# Altium PCB Fri3D_2018_00.PcbDoc (part 2 of 2) (continued)
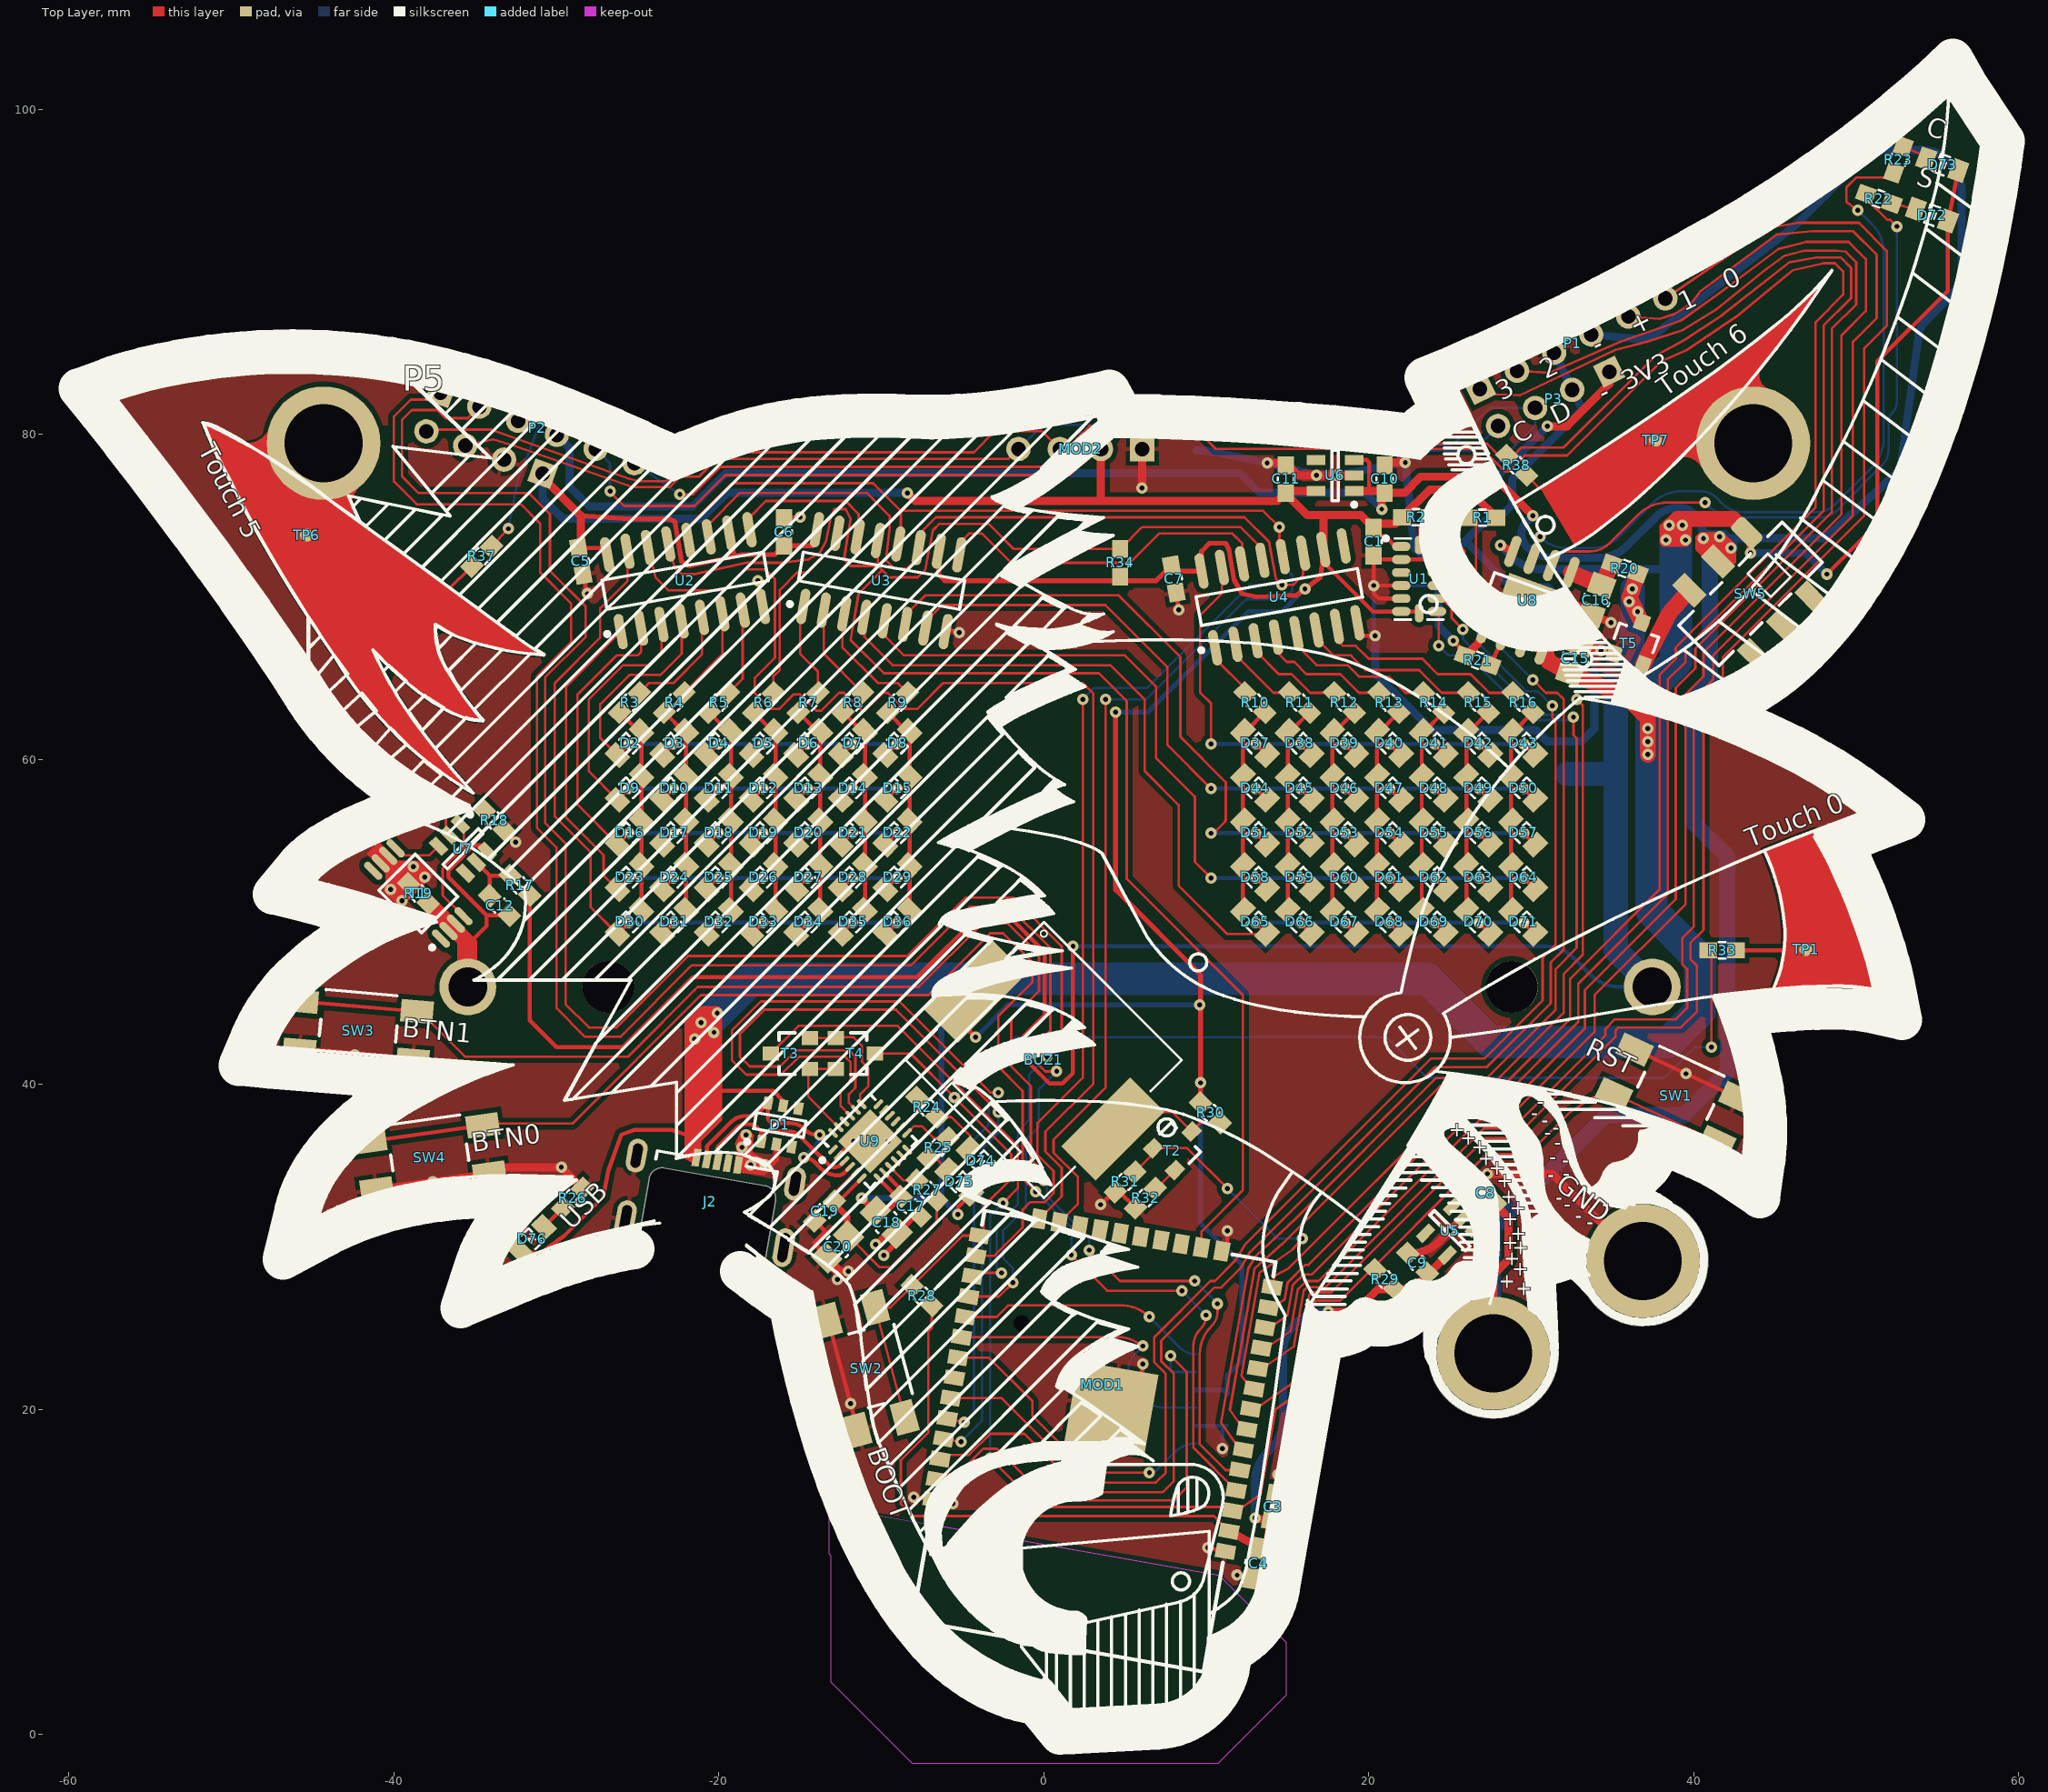
[diagram p0: Top Layer view]
## Nets (pads, with @x,y where several pads share a name; then routed paths per layer and width w, separated by ;. In a path a pad name is that pad's centre, name@x,y a point inside that pad or via, vN(x,y) a via of type N, cw(c..) or ccw(c..) an arc to the next point about the centre after c; other vN are vias at no path point) (continued)
  Top Layer w0.25: U3.11@-7.707,73.033 U3.11@-7.6,73.14
  Bottom Layer w0.15: v1(2.4,63.7) 3.1,64.4 6.354,64.4 12.704,70.75 v1(14.664,70.75)
TOUCH.0: R33.2 TP1.1 | length 4.6
  Top Layer w0.25: R33.2@42.6,48.25 46.85,48.25 TP1.1@47.1,48.5
TOUCH.5: pad.0@-44.333,79.456 R37.2 TP6.1 | length 12.2
  Top Layer w0.2: TP6.1@-45.375,73.8 -41.975,70.4 -36.7,70.4 R37.2@-35.201,71.899
TOUCH.6: pad.0@43.667,79.456 R38.2 TP7.1 | length 9.8
  Top Layer w0.15: R38.2@29.501,77.699 30.5,76.7 34.7,76.7 TP7.1@37.65,79.65
TXT: R24.2 U9.14 | length 2.2
  Top Layer w0.15: U9.14@-8.768,37.366 -7.801,38.333 R24.2@-7.801,39.201
U0.RXD: MOD1.34 U9.21 | length 55.6
  Top Layer w0.15: U9.21@-11.914,38.073 -12.5,38.659 -12.5,39.607 -11.9,40.207 -11.9,41.376 -12.224,41.7 -15.076,41.7 -16.176,40.6 -18.307,40.6 -19.2,41.493 -19.2,43.307 -17.407,45.1 -8.893,45.1 -3.293,39.5 v1(-2.8,39.5) ; MOD1.34@-5.95,19.439 v1(-4.9,19.2)
  Bottom Layer w0.15: v1(-4.9,19.2) -4.3,19.8 -4.3,36.6 -3.4,37.5 -3.4,38.9 v1(-2.8,39.5)
U0.TXD: MOD1.35 U9.20 | length 54.4
  Top Layer w0.15: U9.20@-11.561,38.427 -12,38.866 -12,39.4 -11.6,39.8 -11.6,41.7 -12,42.1 -15.242,42.1 -16.242,41.1 -18.1,41.1 -18.7,41.7 -18.7,43.1 -17.2,44.6 -9.1,44.6 v1(-2.8,38.3) ; MOD1.35@-6.17,18.188 v1(-5.1,18)
  Bottom Layer w0.15: v1(-5.1,18) -3.8,19.3 -3.8,36.014 -2.8,37.014 v1(-2.8,38.3)
U1.RXD: MOD1.13 P2.6 R38.1 | length 163.3
  Top Layer w0.15: v1(-22.4,76.318) -21.582,76.318 -19.9,78 1.3,78 2,78.7 2,79.7 2.8,80.5 10.2,80.5 11,79.7 19.05,79.7 19.325,79.425 27.275,79.425 27.999,78.701 R38.1@28.499,78.701 28.901,78.701 29.4,79.2 32,79.2 37.6,84.8 37.96,85 39.4,85.8 41.7,87.3 45.891,90.591 47.531,90.886 49.05,90.886 49.695,90.241 49.695,88.395 47.995,86.695 47.995,75.295 39.5,66.8 39.5,66 38.4,64.9 38.4,51.7 32.895,46.195 32.895,43.833 27.867,38.805 26.205,38.805 16.3,28.9 16.104,28.9 15.006,27.802 14.823,26.762 14.059,26.228 MOD1.13@13.825,26.269
  Bottom Layer w0.15: P2.6@-25.196,78.231 v1(-22.4,76.318)
U1.TXD: MOD1.14 P2.5 R37.1 | length 179
  Top Layer w0.15: R37.1@-33.999,73.101 v1(-32.95,74.2) ; v1(-30.8,81.2) -29.2,80.882 P2.5@-27.583,79.1 ; v1@-26.7,76.471 -25.829,75.6 -21.5,75.6 -19.6,77.5 1.6,77.5 2.4,78.3 2.4,79.5 3,80.1 9.6,80.1 10.6,79.1 27.006,79.1 28.406,77.7 28.6,77.7 29.6,78.7 32.2,78.7 38.005,84.505 39.6,85.2 42.7,87.3 46.1,90.1 46.715,90.241 47.846,90.501 48,90.536 48.7,90.536 49.2,90.036 49.2,88.6 47.5,86.9 47.5,75.5 38.9,66.9 38.9,66.2 37.9,65.2 37.9,52 32.4,46.5 32.4,44.038 27.662,39.3 25.7,39.3 15.1,28.7 14.2,28.213 14.081,27.681 MOD1.14@14.045,27.52 MOD1.14@14.045,27.4
  Bottom Layer w0.15: v1(-32.95,74.2) -32.4,77.1 v1(-30.8,81.2) ; P2.5@-27.583,79.1 -26.7,78.217 v1(-26.7,76.5)
U2.RXD: MOD1.27 P2.2 | length 111.2
  Top Layer w0.15: P2.2@-34.744,81.706 -35.45,81 -36.835,81 -37.335,81.5 -38.9,81.5 -39.5,80.9 -39.5,77.4 -38.5,76.4 -31.7,76.4 -30.4,75.1 -30.4,71.6 -28.2,69.4 -28.2,67.54 -30.7,65.04 -30.7,56.1 -29.434,54.834 -29.434,44.934 -28,43.5 -26.3,43.5 -21.9,47.9 -8.4,47.9 -4.8,51.5 -1.9,51.5 1.1,48.5 1.1,42.607 0.243,41.75 v1@0.143,41.75 ; MOD1.27@-4.406,28.194 -4.2,28.4 v1(-2.607,28.4) v1@-2.6,28.4
  Bottom Layer w0.15: v1(-2.607,28.4) -2.9,28.693 -2.9,31.3 -1.6,32.6 -1.6,37.1 -0.9,37.8 -0.9,40.607 v1(0.193,41.7)
U2.TXD: MOD1.28 P2.1 | length 111.7
  Top Layer w0.15: P2.1@-37.131,82.575 -37.525,82.575 -37.956,82.144 -38.956,82.144 -40,81.1 -40,77.1 -38.6,75.7 -32.2,75.7 -31,74.5 -31,71.5 -29.1,69.6 -29.1,67.2 -31.2,65.1 -31.2,55.8 -30,54.6 -30,44.7 -28.234,42.934 -26.066,42.934 -21.666,47.334 -8.166,47.334 -4.566,50.934 -2.134,50.934 0.4,48.4 0.4,43.3 -0.6,42.3 -0.6,41.5 0.1,40.8 v1(0.793,40.8) v1@0.8,40.8 ; MOD1.28@-4.627,26.943 -2.757,26.943 v1@-1.9,27.8
  Bottom Layer w0.15: v1(-1.907,27.8) -1.907,28.707 -2.507,29.307 -2.507,30.993 -1.1,32.4 -1.1,36.6 -0.307,37.393 -0.307,39.7 v1(0.793,40.8)
USB.D_n: D1.6 J2.2 U9.4 | length 15.2
  Top Layer w0.25: J2.2@-20.736,35.381 -20.736,36.203 -19.262,37.677 cw(c-18.327,36.742) -18.489,38.054 -18.084,38.054 ccw(c-18.084,38.812) -17.548,38.276 D1.6@-16.977,38.847 -16.977,37.988 ccw(c-16.6,37.988) -16.6,37.611 -15.6,37.611 cw(c-15.6,36.398) -14.743,37.256 -14.7,37.213 ccw(c-13.945,37.968) -13.945,36.9 v1(-13.8,36.9) ; v1(-14.775,35.5) cw(c-14.775,34.595) -14.135,35.235 -13.761,34.861 ccw(c-12.648,35.974) -12.648,34.4 ccw(c-12.648,34.9) -12.294,34.546 U9.4@-11.914,34.927
  Bottom Layer w0.25: v1(-14.775,35.5) -14.101,36.174 ccw(c-14.826,36.9) v1(-13.8,36.9)
USB.D_p: D1.1 J2.3 U9.3 | length 11
  Top Layer w0.25: J2.3@-20.095,35.268 -20.095,36.131 -18.917,37.309 ; -18.917,37.309 cw(c-18.335,36.726) -18.335,37.55 -18.2,37.55 cw(c-18.2,36.674) -17.581,37.294 -17.394,37.107 ; -17.581,37.294 -17.572,37.285 ; D1.1@-17.394,36.483 -17.394,37.107 ; U9.3@-12.268,35.28 -12.47,35.078 cw(c-12.9,35.508) -12.9,34.9 cw(c-12.9,35.383) -13.241,35.041 -15.04,36.84 ccw(c-15.683,36.198) -15.683,37.107 -17.394,37.107
VBAT: BAT1.1 P4.1 R17.1 R20.1 T5.3 | length 131.9
  Top Layer w0.25: R17.1@-31.649,51.649 -31.649,43.949 -30,42.3 -25.9,42.3 -21.6,46.6 -7.8,46.6 -3.9,50.5 -2.305,50.5 0.05,48.145 0.05,44.25 -1.3,42.9 -1.3,41.7 0.35,40.05 1.15,40.05 1.8,40.7 v1(1.8,48.5)
  Top Layer w1: R20.1@36.549,71.459 v1(36.231,70.5) 36.047,69.947 36.141,69.76 36.488,69.07 T5.3@36.81,68.428
  Bottom Layer w0.25: v1(1.8,48.5) 30.848,48.5 cw(c30.848,45.96) 32.644,47.756 33.656,46.744 ccw(c35.452,48.54) 35.452,46 BAT1.1@37.45,46
  Bottom Layer w1.5: P4.1@32.2,59.1 35.2,59.1 ; v1(36.231,70.5) 36.231,66.631 35.2,65.6 35.2,59.1 ; BAT1.1@37.45,46 35.2,48.25 35.2,59.1
  other v1: 36.549,69.1 36.021,69.7
VBAT_SW: SW5.5 T5.2 | length 5.4
  Top Layer w1: T5.2@36.882,65.847 38.5,69 SW5.5@39.735,70.414
VSYS: C8.1 C10.1 P1.4 P2.4 pad.0@27.667,23.456 SW5.3 U5.1 U5.3 U6.1 U6.3 | length 222.6
  Top Layer w0.25: U6.3@19.1,78.425 19.875,78.425 20.025,78.275 20.025,76.525 ; U5.3@25.159,32.503 25.159,32.725 26.475,32.725 27.2,32
  Top Layer w0.5: U6.1@19.1,76.525 20.025,76.525 20.825,76.525 C10.1@20.925,76.625 ; v1(20.8,75.4) 20.8,76.225 C10.1@20.975,76.4 22.2,76.4 23.2,77.4 27.7,77.4 v1(30.1,75) ; U5.1@26.503,31.159 26.503,31.303 27.2,32 C8.1@27.801,32.601 ; pad.0@27.3,23.7 27.667,24.067 27.667,28.267 28.6,29.2 28.6,31.802 C8.1@27.801,32.601 ; C8.1@27.801,32.699 C8.1@27.801,32.601 ; C8.1@27.9,32.7 C8.1@27.801,32.601
  Bottom Layer w0.5: P2.4@-29.97,79.969 -29.2,79.199 -29.2,76.8 -27.968,75.568 -21.632,75.568 -19.6,77.6 12.1,77.6 13.3,76.4 19.8,76.4 v1(20.8,75.4) ; v1(30.1,75) 29.714,74.614 ccw(c30.471,73.856) 29.4,73.856 ccw(c30.424,73.856) 29.7,73.132 ccw(c31.468,74.9) 31.468,72.4 34.106,72.4 ccw(c34.106,74.94) 35.902,73.144 37.673,74.915 cw(c39.086,73.503) 39.086,75.5 cw(c39.086,74.259) 39.964,75.136 cw(c38.427,73.6) v1(40.6,73.6) ; P1.4@33.693,86.14 36.4,85.9 ; 36.448,85.9 ccw(c36.448,88.44) 38.244,86.644 46.3,92.9 50.156,96.756 cw(c51.952,94.96) 51.952,97.5 54.151,97.5 cw(c54.151,95.451) 55.6,96.9 55.756,96.744 cw(c53.96,94.948) 56.5,94.948 56.5,90.252 cw(c53.96,90.252) 55.756,88.456 54.267,86.967 ; 41,73.1 v1(41.6,73.7) ; v1@41.6,73.6 48.098,73.6 48.547,74.048 ; 48.296,73.822 48.547,74.048 ; 54.266,86.966 ccw(c55.334,85.9) 53.882,86.311 ; 48.547,74.048 52.7,77.8 53.825,85.9 ; 53.825,85.9 cw(c55.334,85.9) 53.882,86.311 ; 53.825,85.9 53.882,86.311
  Bottom Layer w1: pad.0@27.667,23.456 27.667,31.167 34.6,38.1 39.4,38.1 42.1,40.8 42.1,43.15 42.05,43.2 42.05,54.05 40,56.1 40,63.9 41,64.9 41,73.1
  other v1: 42.3,73
VUSB: C15.1 C17.1 C18.2 D1.5 D72.1 D73.1 D74.1 D75.1 D76.1 J2.1 SW5.1 U8.4 U8.8 U9.7 U9.8 | length 213.8
  Top Layer w0.25: D76.1@-32.242,29.758 -31,29.6 -29.5,30.7 -27.1,33.1 -26.8,34.7 -26,36.9 -25.2,37.2 -22.9,37.2 -21.4,36.683 ; J2.1@-21.376,35.494 -21.3,36.131 -21.4,36.683 ; D1.5@-16.042,38.682 -16.042,38.987 -16.655,39.6 -20.4,39.6 -21.694,38.306 -21.4,36.683 ; U9.7@-10.182,34.22 -9.063,33.101 C17.1@-8.796,33.101 -8.796,33.54 U9.8@-9.828,34.573 ; v1(-5.3,32) -5.3,32.415 D75.1@-4.458,33.258 D74.1@-3.158,34.558 ; v1(48.2,71.4) 51.3,74.5 51.3,84.5 55.651,88.851 D72.1@55.651,93 ; D72.1@55.651,93.139 D72.1@55.651,93 ; D73.1@56.287,96.241 55.677,93.134 D72.1@55.651,93
  Top Layer w0.381: v1(-11.207,33) -11.194,33 C18.2@-10.366,32.172 -9.725,32.172 C17.1@-8.796,33.101
  Top Layer w0.5: v1(28.1,73.17) U8.8@28.865,72.801 ; SW5.1@43.27,73.95 43.5,73.72 v1(43.5,72.7)
  Top Layer w1: U8.4@30.735,66.799 31.1,66 C15.1@32.375,65.307 35.8,63.9 37.175,62.525 v1(37.175,61.9) v1(37.175,61.1) v1(37.175,60.3) ; v1@38.6,74.4 39,74.8 42.42,74.8 SW5.1@43.27,73.95
  Bottom Layer w0.381: v1(-11.207,33) -6.3,33 ; -6.1,46.5 -6.3,46.3 -6.3,33 ; v1(-5.3,32) -6.3,33
  Bottom Layer w0.5: v1(28.1,73.17) 28.826,72.444 ccw(c30.622,74.24) 30.622,71.7 38.9,71.7 ; v1(43.5,72.7) 46.9,72.7 v1(48.2,71.4)
  Bottom Layer w2: -21.15,43.35 v1(-20.1,44.4) -18,46.5 -6.1,46.5 23.6,46.5 27.5,42.6 38.5,42.6 40.4,44.5 40.4,47.7 37.4,50.7 37.4,61.1 37.4,64.5 38.9,66 38.9,71.7 38.9,73.9
  other v1: -21.5,42.8 -20.3,43.2 -21.1,43.8 38.3,73.5 39.5,73.5 38.5,74.4 39.3,74.4
pads on no net: BAT1.0 D1.3 D1.4 J1.0 J1.1 J1.8 J1.9 J2.4 MOD1.32 P4.M1 P4.M2 SW5.2 SW5.4 SW5.6 T1.1 T1.8 U1.3 U1.10 U1.11 U4.9 U5.4 U6.4 U7.4 U9.1 U9.10 U9.11 U9.12 U9.15 U9.16 U9.17 U9.18 U9.22 U9.24

## Polygon pours and split planes (outlines as drawn)
GND on Top Layer "L01_GND_P002" (solid, remove dead copper, pour order 2): -60.975,105 -60.975,-1.55 60.1,-1.55 60.1,105
GND on Bottom Layer "L02_GND_P000" (solid, remove dead copper, pour order 0): -60.975,105 -60.975,-1.55 60.1,-1.55 60.1,105

## Keep-outs
Keep-Out Layer:
  region: 10.788,9.781 14.9,5.67 14.9,2.4 10.7,-1.8 -8.1,-1.8 -13.1,3.2 -13.1,11 -13.2,11.1 -13.2,14
  text ".Layer_Name" at 248,-54 h3.5

## Other copper
Top Layer:
  region net TOUCH.6: 39,78.5 cw(c39.464,77.464) 40.5,77.929 43.667,79.456 44.6,82.8 cw(c45,83.7) 44.1,84.1 40.2,81.7
  region net TOUCH.5: -47,75.5 -49.3,79.5 ccw(c-49.03,80.97) -47.56,80.7 -44.333,79.456 -41.8,77.1 ccw(c-40.85,75.65) -42.3,74.7
  region net TOUCH.6: 32.662,73.16 ccw(c26.095,84.779) 34.308,74.259 ccw(c10.452,106.002) 38.177,77.575 ccw(c-12.468,129.936) 48.513,90.088 cw(c30.635,105.149) 45.041,86.739 cw(c-9.939,154.492) 40.007,82.947 cw(c-79.141,253.659) 30.547,76.72
  region net TOUCH.0: 44.789,45.862 ccw(c44.88,45.82) 44.967,45.769 46.596,45.897 ccw(c46.657,45.976) 46.666,45.876 cw(c48.253,28.296) 51.072,45.721 ccw(c51.088,45.82) 51.088,45.72 ccw(c51.088,45.82) 51.175,45.769 ccw(c51.088,45.82) 51.175,45.769 ccw(c51.123,45.855) 51.224,45.855 ccw(c51.123,45.855) 51.222,45.875 ccw(c34.516,42.603) 50.913,47.179 ccw(c50.816,47.152) 50.913,47.179 ccw(c12.339,36.279) 48.357,53.871 47.51,55.634 ccw(c47.42,55.591) 47.383,55.684 44.314,54.485 ccw(c44.351,54.392) 44.26,54.348 ccw(c32.089,48.613) 44.26,54.349 44.26,54.348 cw(c32.089,48.613) 45.417,50.454 ccw(c45.517,50.468) 45.418,50.451 cw(c37.647,49.178) 45.521,49.178 cw(c37.647,49.178) 44.814,45.916 ccw(c44.9,45.865) 44.805,45.896 cw(c37.647,49.178)
  region net TOUCH.5: -38.909,64.481 cw(c-23.678,82.96) -41.293,66.737 ccw(c-19.173,76.687) -38.419,61.926 ccw(c0.527,90.686) -36.825,59.885 ccw(c-1.394,88.895) -35.12,57.919 cw(c-23.094,78.649) -43.693,66.399 cw(c27.059,115.704) -47.539,72.438 cw(c35.582,121.01) -50.403,77.71 cw(c-26.202,90.44) -51.769,80.741 cw(c-67.18,46.692) -43.67,75.745 -38.042,71.644 -33.269,68.122 ccw(c-17.453,88.559) -30.781,66.42 cw(c-29.643,85.008) -35.874,67.458 cw(c-33.327,74.188) -37.448,68.289 ccw(c-32.56,68.065) -36.6,65.304 ccw(c-21.991,73.599) -35.673,63.85 ccw(c-18.797,75.743) -34.52,62.363 cw(c-34.617,65.233) -35.645,62.552 cw(c-33.248,69.709) -37.019,63.171 cw(c-30.233,74.977)
  region net VUSB: 39.9,73.4 39.6,73.1 38.1,73.1 37.9,73.3 37.9,74.4 38.3,74.8 39.9,74.8
  region net VSYS: 41.8,74 42.6,73.2 42.6,72.1 41.8,71.3 41.7,71.3 40.1,72.9 40.1,73.7 40.4,74
  region net VUSB: -21.1,35.8 -21.1,36.5 -19.8,37.8 -19.8,44.6 -20,44.8 -21.1,44.8 -22.1,43.8 -22.1,35.442 -21.625,35.15 -21.3,35.073
  region net GND: -37.6,52.847 -39.597,50.85 -40.616,51.866 -40.616,52.25 -40.5,52.366 -40.5,52.984 -41.689,54.173 -40.933,54.933 -39.75,53.75 -38.5,53.75
  region net GBAT: -36.1,47 -36.1,48.675 -38.574,51.149 -38.501,51.149 -37.85,51.8 -34.9,48.85 -34.9,47.1 -34.6,47.1 -34.2,46.7 -34.2,45.8 -34.8,45.2 -35.3,45.7 -36.3,45.7 -36.6,46 -36.6,46.6 -36.7,46.7 -36.5,46.9 -36.5,47.1
  region net GND: -19,35.2 -18.9,35.971 -19,36.359 -18.676,37.1 -18.538,37.2 -18.132,37.2 -17.852,36.881 -17.9,36.5 -17.93,35.8 -17.6,35.6 -16.7,35.25 -16.7,35 -16.874,34.7 -17.2,34.4 -18.823,34.58
  text ".Layer_Name" at 248,-54 h3.5
Bottom Layer:
  pour cut-out: 44.789,45.862 ccw(c44.88,45.82) 44.967,45.769 46.596,45.897 ccw(c46.657,45.976) 46.666,45.876 cw(c48.253,28.296) 51.072,45.721 ccw(c51.088,45.82) 51.088,45.72 ccw(c51.088,45.82) 51.175,45.769 ccw(c51.088,45.82) 51.175,45.769 ccw(c51.123,45.855) 51.224,45.855 ccw(c51.123,45.855) 51.222,45.875 ccw(c34.516,42.603) 50.913,47.179 ccw(c50.816,47.152) 50.913,47.179 ccw(c12.339,36.279) 48.357,53.871 47.51,55.634 ccw(c47.42,55.591) 47.383,55.684 44.314,54.485 ccw(c44.351,54.392) 44.26,54.348 ccw(c32.089,48.613) 44.26,54.349 44.26,54.348 cw(c32.089,48.613) 45.417,50.454 ccw(c45.517,50.468) 45.418,50.451 cw(c37.647,49.178) 45.521,49.178 cw(c37.647,49.178) 44.814,45.916 ccw(c44.9,45.865) 44.805,45.896 cw(c37.647,49.178)
  pour cut-out: -38.909,64.481 cw(c-23.678,82.96) -41.293,66.737 ccw(c-19.173,76.687) -38.419,61.926 ccw(c0.527,90.686) -36.825,59.885 ccw(c-1.394,88.895) -35.12,57.919 cw(c-23.094,78.649) -43.693,66.399 cw(c27.059,115.704) -47.539,72.438 cw(c35.582,121.01) -50.403,77.71 cw(c-26.202,90.44) -51.769,80.741 cw(c-67.18,46.692) -43.67,75.745 -38.042,71.644 -33.269,68.122 ccw(c-17.453,88.559) -30.781,66.42 cw(c-29.643,85.008) -35.874,67.458 cw(c-33.327,74.188) -37.448,68.289 ccw(c-32.56,68.065) -36.6,65.304 ccw(c-21.991,73.599) -35.673,63.85 ccw(c-18.797,75.743) -34.52,62.363 cw(c-34.617,65.233) -35.645,62.552 cw(c-33.248,69.709) -37.019,63.171 cw(c-30.233,74.977)
  pour cut-out: 32.662,73.16 ccw(c26.095,84.779) 34.308,74.259 ccw(c10.452,106.002) 38.177,77.575 ccw(c-12.468,129.936) 48.513,90.088 cw(c30.635,105.149) 45.041,86.739 cw(c-9.939,154.492) 40.007,82.947 cw(c-79.141,253.659) 30.547,76.72
  region net VSYS: 40.2,73.8 40.5,74.1 42,74.1 42.7,73.4 42.7,72.8 42.3,72.4 40.8,72.4 40.2,73
  text ".Layer_Name" at 248,-54 h3.5

## Silkscreen, mask and mechanical layers (free items; w line width, h text height)
Top Overlay:
  drawing of 2208 lines, arcs and shapes, not listed
  text "C" at 54.1,98.1 h2 r341.39
  text "S" at 53.5,95.038 h2 r341.39
  text "Touch 6" at 38.5,81.95 h2 r35.42
  text "3    2     -    +    1    0" at 28.325,81.721 h2 r26
  text "C   D    -  3V3" at 29.35,79.05 h2 r26
  text "Touch 5" at -52.425,78.875 h2 r297.72
  text "Touch 0" at 43.6,54.175 h2 r21.61
  text "BTN1" at -39.55,42.55 h2 r354.83
  text "RST" at 33.101,41.5 h2 r334.56
  text "-" at 30.35,38.2 h1.52
  text "-" at 30,37.5 h1.52
  text "-" at 30.643,37.072 h1.52
  text "-" at 31.3,36.6 h1.52
  text "+" at 24.912,36.475 h1.52
  text "-" at 30.806,36.3 h1.52
  text "+" at 25.608,35.975 h1.52
  text "-" at 31.4,35.7 h1.52
  text "BTN0" at -35.075,35.425 h2 r8.13
  text "+" at 26.325,35.4 h1.52
  text "-" at 31.104,34.8 h1.52
  text "+" at 26.721,34.725 h1.52
  text "-" at 31.9,34.6 h1.52
  text "+" at 27.396,34.125 h1.52
  text "-" at 31.949,33.8 h1.52
  text "-" at 31,33.7 h1.52
  text "GND" at 31.2,33.369 h2 r322.06
  text "+" at 27.866,33.348 h1.52
  text "+" at 28.125,32.375 h1.52
  text "-" at 31.5,32.307 h1.52
  text "-" at 34.356,31.922 h1.52
  text "-" at 32,31.887 h1.52
  text "+" at 28.659,31.654 h1.52
  text "-" at 32.7,31.2 h1.52
  text "+" at 28.2,31 h1.52
  text "-" at 33.409,30.8 h1.52
  text "USB" at -28.788,30.712 h2 r45
  text "+" at 28.7,30.106 h1.52
  text "+" at 28.2,29.548 h1.52
  text "+" at 28.837,29.219 h1.52
  text "+" at 28.3,28.548 h1.52
  text "+" at 28.8,27.907 h1.52
  text "+" at 28,27.148 h1.52
  text "+" at 29.046,26.7 h1.52
  text "BOOT" at -11.25,17.25 h2 r290.45
  text ".Layer_Name" at 248,-54 h3.5
Bottom Overlay:
  drawing of 214 lines, arcs and shapes, not listed
  text "0    1    +     -    2    3" at 40.25,87.5 h2 r26
  text "3V3   -  SDA SCL" at 37.925,83.2 h2 r26
  text "R 1 T    +     -    R 2 T" at -24.6,76.1 h2 r340
  text "SCL" at 0.453,75.26 h2 r270
  text "3V3" at 2.993,75.26 h2 r270
  text "3V3   -  SDA SCL" at -29.6,75.2 h2 r340.74
  text "Touch 6" at 47.2,75.2 h2 r9
  text "SDA" at -2.087,74.96 h2 r270
  text "GND" at 5.533,74.66 h2 r270
  text "Touch 5" at -41.25,74.5 h2 r357.65
  text "SN" at -30.037,61.848 h3 r315
  text "-" at 35,60.2 h5
  text "+" at 35.6,57.8 h5
  text "FRI3D_BADGE_2018_00" at -30.15,57.243 h2.6 r315
  text "-" at -32.4,56.2 h8
  text "+" at 39.3,56.2 h8
  text "-" at -38.2,51.1 h8
  text "AREA 3001" at 4.75,48.575 h4 r13.65
  text "+" at 43.2,48.2 h8
  text "Daan Gerits / Toon Van De Putte / Wim Van Gool / Paul-Armand Verhaegen" at 39.4,48 h3
  text "-" at -39,43.6 h8
  text "+" at 42.7,37.2 h8
  text "WIM" at -32.3,36.4 h2.5 r349.26
  text "-" at -38.4,33.7 h8
  text "GND" at 34.7,33.1 h2 r51.5
  text "-" at -27.6,32.1 h8
  text "FRI3D BADGE 2018" at 26.8,31.7 h6
  text "VSYS" at 29.2,27.9 h2 r3.64
  text ".Layer_Name" at 248,-54 h3.5
Top Paste:
  text ".Layer_Name" at 248,-54 h3.5
Bottom Paste:
  text ".Layer_Name" at 248,-54 h3.5
Top Solder:
  text ".Layer_Name" at 248,-54 h3.5
Bottom Solder:
  text ".Layer_Name" at 248,-54 h3.5
Drill Guide:
  text ".Layer_Name" at 248,-54 h3.5
3D Symbols:
  text ".Layer_Name" at 248,-54 h3.5
Outline:
  drawing of 170 lines, arcs and shapes, not listed
Comments:
  drawing of 29 lines, arcs and shapes, not listed
  text "Fri3d Badge 2018 is made possible by the following sponsors" at 135,112.5 h6
  text ".Layer_Name" at 248,-54 h3.5
Fabrication:
  text ".Layer_Name" at 248,-54 h3.5
Placebound Top:
  text ".Layer_Name" at 248,-54 h3.5
Placebound Bottom:
  text ".Layer_Name" at 248,-54 h3.5
Frame:
  drawing of 15 lines, arcs and shapes, not listed
  text "Document" at 243.5,-39 h2
  text ".PCB_TITLE" at 245,-44.5 h4
  text "Layer Name" at 243.5,-49 h2
  text "Date" at 243.5,-59 h2
  text "Rev" at 283.5,-59 h2
  text ".Print_Date" at 246.5,-64.5 h3.5
  text ".PCB_REV" at 288,-64.5 h4
  text "Desginer" at 193.5,-69 h2
  text "Document" at 243.5,-69 h2
  text ".Pcb_File_Name_No_Path" at 245,-74 h1.5
  text ".PCB_ENGINEER" at 198,-74.5 h4
Assembly Top:
  text ".Layer_Name" at 248,-54 h3.5
Assembly Bottom:
  text ".Layer_Name" at 248,-54 h3.5
Drill Drawing:
  circle w0.2: c-57.002,-24.095 r0.556
  lines w0.2: -57.558,-34.372 -57.28,-34.372 -57.002,-34.65 -56.724,-34.372 -56.447,-34.372 -56.724,-34.095 -56.447,-33.817 -56.724,-33.817 -57.002,-33.539 -57.28,-33.817 -57.558,-33.817 -57.28,-34.095 -57.558,-34.372 ; -57.558,-31.039 -56.447,-31.039 -57.002,-32.15 -57.558,-31.039 ; -57.558,-29.65 -57.002,-29.372 -56.447,-29.65 -56.724,-29.095 -56.447,-28.539 -57.002,-28.817 -57.558,-28.539 -57.28,-29.095 -57.558,-29.65 ; -57.558,-26.595 -57.002,-27.15 -56.447,-26.595 -57.002,-26.039 -57.558,-26.595 ; -57.558,-22.15 -56.447,-22.15 -56.447,-21.039 -57.558,-21.039 -57.558,-22.15 ; -57.558,-19.372 -57.28,-19.372 -57.28,-19.65 -56.724,-19.65 -56.724,-19.372 -56.447,-19.372 -56.447,-18.817 -56.724,-18.817 -56.724,-18.539 -57.28,-18.539 -57.28,-18.817 -57.558,-18.817 -57.558,-19.372 ; -57.558,-17.15 -57.558,-16.872 -57.28,-16.595 -57.558,-16.317 -57.558,-16.039 -57.28,-16.039 -57.002,-16.317 -56.724,-16.039 -56.447,-16.039 -56.447,-16.317 -56.724,-16.595 -56.447,-16.872 -56.447,-17.15 -56.724,-17.15 -57.002,-16.872 -57.28,-17.15 -57.558,-17.15
  lines w0.381: -58.565,-35.4 169.865,-35.4 ; -58.565,-15.4 169.865,-15.4 ; -49.277,-37.9 -49.277,-12.9 ; -39.213,-37.9 -39.213,-12.9 ; -19.652,-37.9 -19.652,-12.9 ; -11.114,-37.9 -11.114,-12.9 ; 1.223,-37.9 1.223,-12.9 ; 26.282,-37.9 26.282,-12.9 ; 36.22,-37.9 36.22,-12.9 ; 48.756,-37.9 48.756,-12.9 ; 68.817,-37.9 68.817,-12.9 ; 83.153,-37.9 83.153,-12.9 ; 105.487,-37.9 105.487,-12.9 ; 127.82,-37.9 127.82,-12.9 ; 146.381,-37.9 146.381,-12.9 ; -58.565,-37.9 169.865,-37.9 169.865,-12.9 -58.565,-12.9 -58.565,-37.9
  text "Symbol" at -57.065,-14.65 h1.2
  text "Count" at -48.527,-14.65 h1.2
  text "Hole Size" at -38.463,-14.65 h1.2
  text "Plated" at -18.902,-14.65 h1.2
  text "Hole Type" at -10.364,-14.65 h1.2
  text "Drill Layer Pair" at 1.973,-14.65 h1.2
  text "Via/Pad" at 27.032,-14.65 h1.2
  text "Pad Shape" at 36.97,-14.65 h1.2
  text "Template" at 49.506,-14.65 h1.2
  text "Description" at 69.567,-14.65 h1.2
  text "Hole Tolerance (+)" at 83.903,-14.65 h1.2
  text "Hole Tolerance (-)" at 106.237,-14.65 h1.2
  text "Hole Length" at 128.57,-14.65 h1.2
  text "Routed Path Length" at 147.131,-14.65 h1.2
  text "2" at -48.527,-17.15 h1
  text "0,600mm (23,62mil)" at -38.463,-17.15 h1
  text "PTH" at -18.902,-17.15 h1
  text "Slot" at -10.364,-17.15 h1
  text "Top Layer - Bottom Layer" at 1.973,-17.15 h1
  text "Pad" at 27.032,-17.15 h1
  text "Rounded" at 36.97,-17.15 h1
  text "r210_120h60_150r100" at 49.506,-17.15 h1
  text "1,500mm (59,06mil)" at 128.57,-17.15 h1
  text "0,900mm (35,43mil)" at 147.131,-17.15 h1
  text "2" at -48.527,-19.65 h1
  text "0,600mm (23,62mil)" at -38.463,-19.65 h1
  text "PTH" at -18.902,-19.65 h1
  text "Slot" at -10.364,-19.65 h1
  text "Top Layer - Bottom Layer" at 1.973,-19.65 h1
  text "Pad" at 27.032,-19.65 h1
  text "Rounded" at 36.97,-19.65 h1
  text "r240_120h60_180r100" at 49.506,-19.65 h1
  text "1,800mm (70,87mil)" at 128.57,-19.65 h1
  text "1,200mm (47,24mil)" at 147.131,-19.65 h1
  text "2" at -48.527,-22.15 h1
  text "1,000mm (39,37mil)" at -38.463,-22.15 h1
  text "NPTH" at -18.902,-22.15 h1
  text "Round" at -10.364,-22.15 h1
  text "Top Layer - Bottom Layer" at 1.973,-22.15 h1
  text "Pad" at 27.032,-22.15 h1
  text "Rounded" at 36.97,-22.15 h1
  text "c0hn100" at 49.506,-22.15 h1
  text "-" at 128.57,-22.15 h1
  text "-" at 147.131,-22.15 h1
  text "2" at -48.527,-24.65 h1
  text "2,400mm (94,49mil)" at -38.463,-24.65 h1
  text "PTH" at -18.902,-24.65 h1
  text "Round" at -10.364,-24.65 h1
  text "Top Layer - Bottom Layer" at 1.973,-24.65 h1
  text "Pad" at 27.032,-24.65 h1
  text "Rounded" at 36.97,-24.65 h1
  text "c350h240" at 49.506,-24.65 h1
  text "-" at 128.57,-24.65 h1
  text "-" at 147.131,-24.65 h1
  text "2" at -48.527,-27.15 h1
  text "3,200mm (125,98mil)" at -38.463,-27.15 h1
  text "NPTH" at -18.902,-27.15 h1
  text "Round" at -10.364,-27.15 h1
  text "Top Layer - Bottom Layer" at 1.973,-27.15 h1
  text "Pad" at 27.032,-27.15 h1
  text "Rounded" at 36.97,-27.15 h1
  text "c320hn320" at 49.506,-27.15 h1
  text "-" at 128.57,-27.15 h1
  text "-" at 147.131,-27.15 h1
  text "4" at -48.527,-29.65 h1
  text "4,800mm (188,98mil)" at -38.463,-29.65 h1
  text "PTH" at -18.902,-29.65 h1
  text "Round" at -10.364,-29.65 h1
  text "Top Layer - Bottom Layer" at 1.973,-29.65 h1
  text "Pad" at 27.032,-29.65 h1
  text "Rounded" at 36.97,-29.65 h1
  text "c700h480" at 49.506,-29.65 h1
  text "-" at 128.57,-29.65 h1
  text "-" at 147.131,-29.65 h1
  text "24" at -48.527,-32.15 h1
  text "0,900mm (35,43mil)" at -38.463,-32.15 h1
  text "PTH" at -18.902,-32.15 h1
  text "Round" at -10.364,-32.15 h1
  text "Top Layer - Bottom Layer" at 1.973,-32.15 h1
  text "Pad" at 27.032,-32.15 h1
  text "(Mixed)" at 36.97,-32.15 h1
  text "(Mixed)" at 49.506,-32.15 h1
  text "-" at 128.57,-32.15 h1
  text "-" at 147.131,-32.15 h1
  text "207" at -48.527,-34.65 h1
  text "0,300mm (11,81mil)" at -38.463,-34.65 h1
  text "PTH" at -18.902,-34.65 h1
  text "Round" at -10.364,-34.65 h1
  text "Top Layer - Bottom Layer" at 1.973,-34.65 h1
  text "Via" at 27.032,-34.65 h1
  text "Rounded" at 36.97,-34.65 h1
  text "v70h30m0" at 49.506,-34.65 h1
  text "-" at 128.57,-34.65 h1
  text "-" at 147.131,-34.65 h1
  text "245 Total" at -48.527,-37.15 h1
  text "Slot definitions :" at -57.065,-39.633 h1
  text "Routed Path Length" at -39.76,-39.633 h1
  text "= Calculated from tool start centre position to tool end centre position." at -21.289,-39.633 h1
  text "Hole Length" at -39.76,-41.366 h1
  text "= Routed Path Length + Tool Size = Slot length as defined in the PCB layout" at -28.12,-41.366 h1
  text ".Layer_Name" at 248,-54 h3.5

## Dimensions
55.956,103.104 to 1,0 on Fabrication
-59.388,82.822 to 59.131,98.06 on Fabrication
-59.388,82.822 to 27.667,23.456 on Drill Drawing
27.667,23.456 to -59.388,82.822 on Drill Drawing

## Text inside footprints (layer, text, board x,y; h text height)
BAT1: Assembly Bottom "+" at 36.75,50 h2 r180; Bottom Overlay "+" at 38,44.5 h2 r180
J1: Comments "uSD CARD" at -9.4,17 h1.2 r270
J2: Comments "PCB EDGE" at -23.324,28.475 h0.5 r350